# Altium PCB Encoder_AAS3301.PcbDoc
Units mm, origin at the board's own origin, x right, y up, seen from the top; angles counter-clockwise.
Board outline 19 x 19 mm, 2 copper layers (Top Layer, Bottom Layer), stack 0.8 mm thick; 5 components, 11 nets, 36 pads, 14 vias.
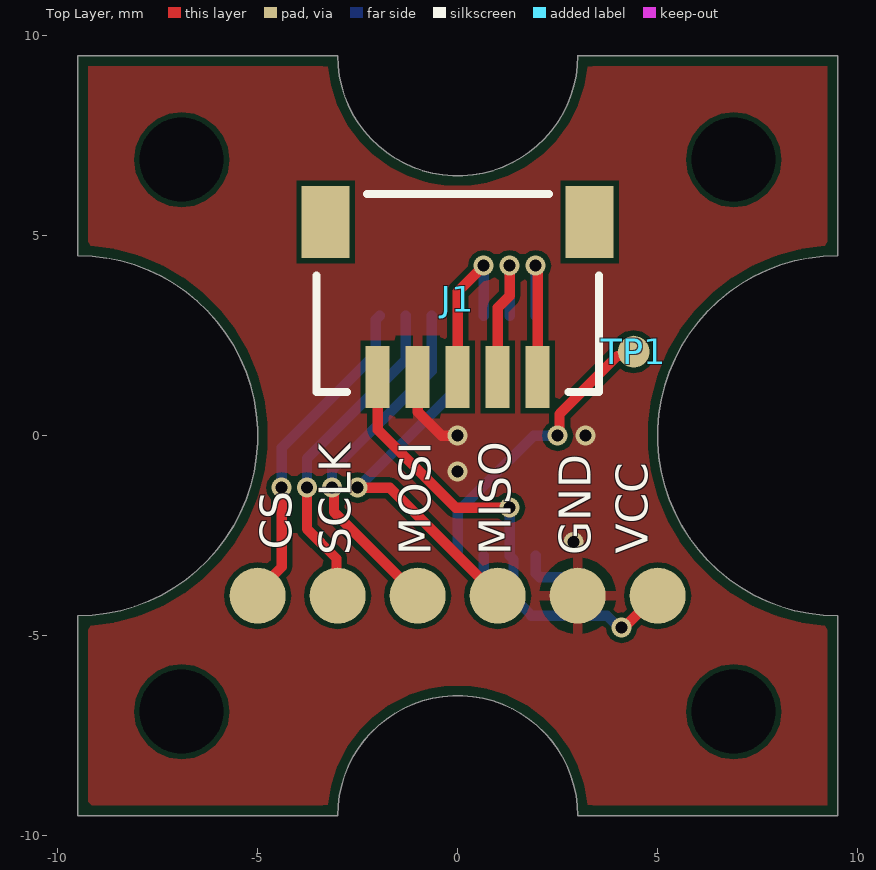
[diagram p0: Top Layer view]
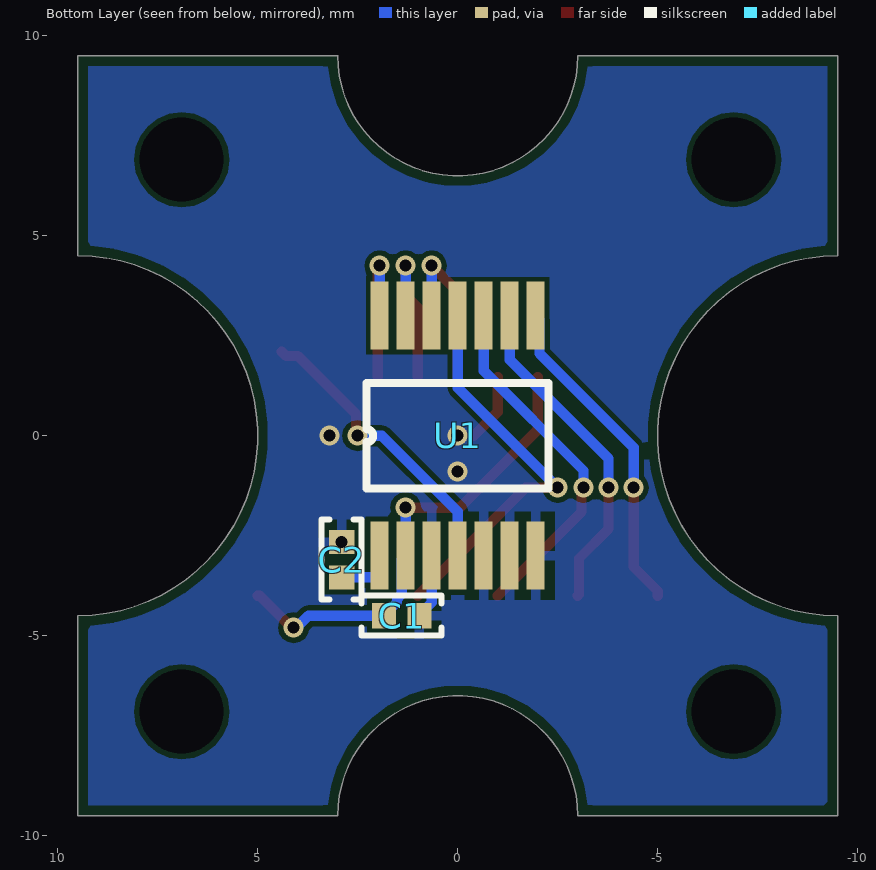
[diagram p1: Bottom Layer view, seen from below]
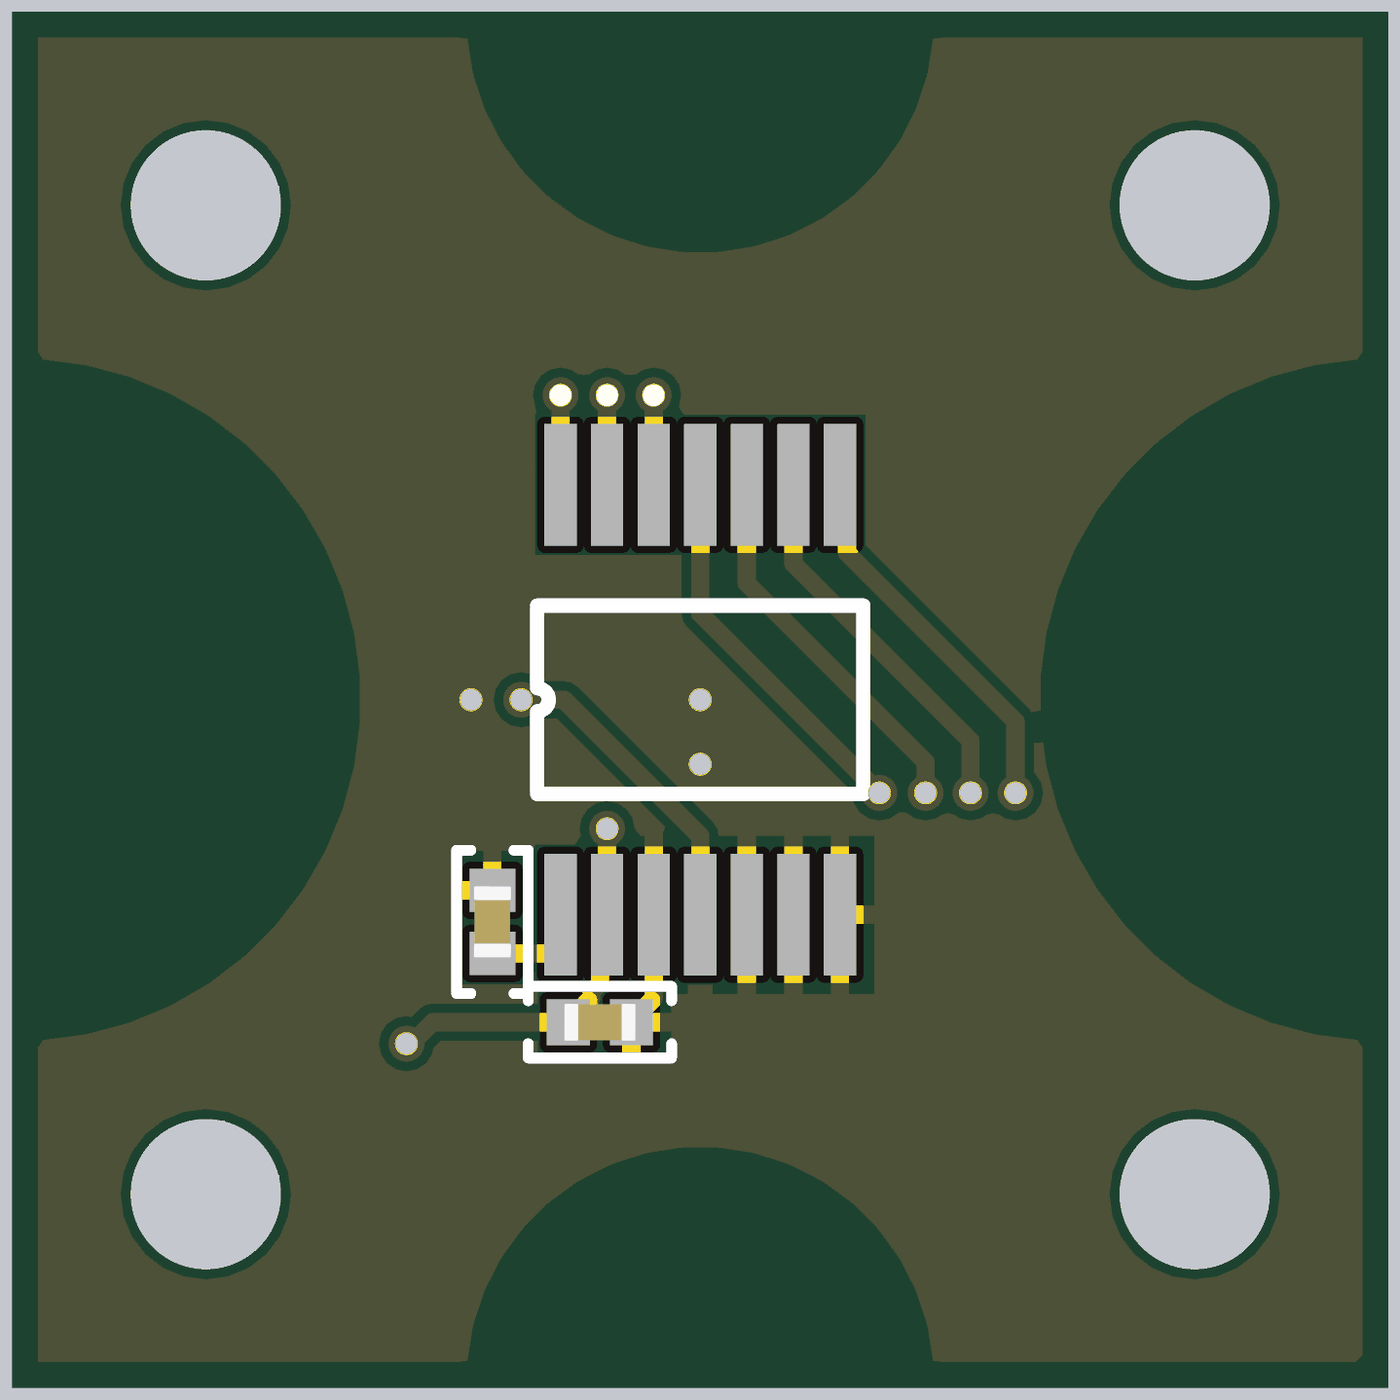
[diagram p2: 3D render of the assembled board from below, using the file's embedded part models]

## Layer stack, top to bottom
Top Solder: solder mask 0.01, Solder Resist, Dk 3.5
Top Layer: signal copper 0.035
Dielectric 1: dielectric 0.73, FR-4, Dk 4.8
Bottom Layer: signal copper 0.035
Bottom Solder: solder mask 0.01, Solder Resist, Dk 3.5

## Board outline
-9.5,-9.5 -9.5,-4.501 ccw(c-9.5,0) -9.5,4.501 -9.5,9.5 -3.002,9.5 ccw(c0,9.5) 3.002,9.5 9.5,9.5 9.5,4.501 ccw(c9.5,0) 9.5,-4.501 9.5,-9.5 3.002,-9.5 ccw(c0,-9.5) -3.002,-9.5

## Design rules (kind name [scope] priority, off if disabled: settings)
BoardOutlineClearance [All] p1: gap=0.254 ignorepadtopadclearanceinfootprint=FALSE except(0: Arc-SplitContinuation Track-SplitContinuation SMDPad-SplitContinuation THPad-SplitContinuation Via-SplitContinuation Fill-SplitContinuation Poly-SplitContinuation Region-SplitContinuation Text-SplitContinuation)
Clearance [All] p1: gap=0.128 ignorepadtopadclearanceinfootprint=FALSE
PlaneConnect [All] p1: pad.planeconnectstyle=Relief pad.reliefexpansion=0.508 pad.reliefentries=4 pad.reliefconductorwidth=0.254 pad.reliefairgap=0.254 via.planeconnectstyle=Direct via.reliefexpansion=0.508 via.reliefentries=4 via.reliefconductorwidth=0.254 via.reliefairgap=0.254
PolygonConnect [All] p1: thpad.connectstyle=Relief thpad.reliefconductorwidth=0.254 thpad.reliefentries=4 thpad.polygonreliefangle="90 Angle" thpad.airgapwidth=0.254 smdpad.connectstyle=Relief smdpad.reliefconductorwidth=0.254 smdpad.reliefentries=4 smdpad.polygonreliefangle="90 Angle" smdpad.airgapwidth=0.254 via.connectstyle=Direct via.reliefconductorwidth=0.254 via.reliefentries=4 via.polygonreliefangle="90 Angle" via.airgapwidth=0.254
RoutingVias [All] p1: holewidth=0.3 width=0.5 viastyle="Through Hole" minholewidth=0.3 minwidth=0.5 maxholewidth=0.7 maxwidth=1.27
SolderMaskExpansion [All] p1: expansion=0.102 istentingtop=FALSE
Width [All] p1: maxlimit=0.254 minlimit=0.254 preferedwidth=0.254
29 further rules are at their usual default settings.

## Components (designator, comment, footprint, x,y, rotation, side; value= is the part's Value field where it differs from the comment)
C1 "0.1 µF" "CAP 0402_1005" 1.4,-4.5 r180 bottom
C2 "0.1 µF" "CAP 0402_1005" 2.9,-3.1 r90 bottom
J1 "SM05B-SRSS-TB(LF)(SN)" "JST SM05B-SRSS-TB" 0,3.5 r0 top
TP1 "0.8mm" "TP  0.8mm" 4.4,2.1 r0 top
U1 "A1339/AAS33001" TSSOP14 0,0 r90 bottom

## Footprints (in the part's own frame and the unit in brackets; to place one, negate y for a bottom-side part, rotate by r counter-clockwise, add the part's x,y. Pads: shape width x height; smd on the part's side, far side on the other; paste and mask are expansions set on the pad)
"CAP 0402_1005" [mm] "Chip Capacitor, 2-Leads, Body 1.02x0.51mm, IPC Medium Density"
  rect 0.6x0.64 smd: 1(-0.44,0) 2(0.44,0)
  silkscreen extent -1,-0.5 1,0.5, body extent -0.5,-0.26 0.5,0.26, height 0.52
"JST SM05B-SRSS-TB" [mm] "1.0mm pitch/Disconnectable Crimp style connector"
  rect 0.6x1.55 smd: 1(-2,-2.032) 2(-1,-2.032) 3(0,-2.032) 4(1,-2.032) 5(2,-2.032)
  rect 1.2x1.8 smd: M(-3.3,1.843) M(3.3,1.843)
  silkscreen extent -3.53,-2.41 3.53,2.54, body extent -3.5,-2.38 3.5,2.57, height 2.95
"TP  0.8mm" [mm]
  round 0.8 smd: 1(0,0)
TSSOP14 [mm]
  rect 1.7x0.45 smd: 1(-3,1.95) 2(-3,1.3) 3(-3,0.65) 4(-3,0) 5(-3,-0.65) 6(-3,-1.3) 7(-3,-1.95) 8(3,-1.95) 9(3,-1.3) 10(3,-0.65) 11(3,0) 12(3,0.65) 13(3,1.3) 14(3,1.95)
  silkscreen extent -1.32,-2.28 1.32,2.27, body extent -3.2,-2.55 3.2,2.55, height 1.2

## Part data
C1 C2: library part C0402C104K3RAC7867, "CAP CER 0.1UF 25V X7R 0402", Device Package="0402 (1005 Metric)", Manufacturer=KEMET, Operating Temperature="-55°C ~ 125°C", Supplier Part Number 1=399-14148-1-ND, Temperature Coefficient=X7R, Tolerance=±10%, Voltage - Rated=25V, Applications="Bypass, Decoupling", Capacitance="0.1 µF", ComponentLink1Description=Datasheet, ComponentLink1URL=https://api.kemet.com/component-edge/download/datasheet/C0402C104K3RAC7867.pdf, ComponentLink2Description="DigiKey Link", ComponentLink2URL=https://www.digikey.com/en/products/detail/kemet/C0402C104K3RAC7867/6697176, LastUpdated="2/9/2024 8:04:32 PM", Lifecycle Status=Active, Minimum Order=1, Mounting Type="Surface Mount, MLCC", Package / Case="0402 (1005 Metric)", Packaging=TapeAndReel, Part Number=C0402C104K3RAC7867, Part Status=Active, PartId=39011, Price=0.02, Series="SMD Comm X7R", Size / Dimension="0.039\" L x 0.020\" W (1.00mm x 0.50mm)", Supplier 1=DigiKey, Thickness (Max)="0.022\" (0.55mm)"
J1: "CONN HEADER SMD R/A 5POS 1MM", Current Rating (Amps)=0.7A, Insulation Color=Natural, Manufacturer="JST Sales America Inc.", Material Flammability Rating="UL94 V-0", Operating Temperature="-25°C ~ 85°C", Supplier Part Number 1=455-1805-1-ND, Voltage Rating=50V, ComponentLink1Description=Datasheet, ComponentLink1URL=http://www.jst-mfg.com/product/pdf/eng/eSH.pdf, ComponentLink2Description="DigiKey Link", ComponentLink2URL=http://digikey.com/product-detail/en/jst-sales-america-inc/SM05B-SRSS-TB-LF-SN/455-1805-1-ND/926876, Connector Type=Header, Contact Finish - Mating=Tin, Contact Finish - Post=Tin, Contact Material="Copper Alloy", Contact Shape=Square, Contact Type="Male Pin", Fastening Type=Push-Pull, Features="Solder Retention", Insulation Height="0.114\" (2.90mm)", Insulation Material="Polyamide (PA), Nylon", LastUpdated="1/12/2020 11:42:04 PM", Lifecycle Status=Active, Minimum Order=1, Mounting Type="Surface Mount, Right Angle", Number of Positions=5, Number of Positions Loaded=All, Number of Rows=1, Packaging=TapeAndReel, Part Number=SM05B-SRSS-TB(LF)(SN), Part Status=Active, PartId=63, Pitch - Mating="0.039\" (1.00mm)", Price=0.32, Series=SR, Shrouding="Shrouded - 4 Wall", Style="Board to Cable/Wire", Supplier 1=DigiKey, Termination=Solder
TP1: library part "TP 0.8mm", "Test point"

## Free pads (board coordinates)
  round 0 hole 2.1 unplated: 1(-6.9,-6.9) 1(-6.9,6.9) 1(6.9,-6.9) 1(6.9,6.9)
  round 1.4 smd: 4(-5,-4) 4(-3,-4) 4(-1,-4) 4(1,-4) 4(3,-4) 4(5,-4)

## Via types
v1: diameter 0.5, hole 0.3, Top Layer to Bottom Layer, tented both sides, 14 vias

## Nets (pads, with @x,y where several pads share a name; then routed paths per layer and width w, separated by ;. In a path a pad name is that pad's centre, name@x,y a point inside that pad or via, vN(x,y) a via of type N, cw(c..) or ccw(c..) an arc to the next point about the centre after c; other vN are vias at no path point)
A: J1.3 U1.12 | length 4.3
  Top Layer w0.254: J1.3 0,1.668 0,1.968 0,3.6 v1(0.65,4.25)
  Bottom Layer w0.254: U1.12 v1(0.65,4.25)
B: J1.4 U1.13 | length 4.1
  Top Layer w0.254: J1.4 1,1.668 1,1.968 1,3.2 1.3,3.5 v1@1.3,4.2
  Bottom Layer w0.254: U1.13 v1(1.3,4.25)
BYP: C2.1 U1.1 | length 1.4
  Bottom Layer w0.254: U1.1 1.95,-3.442 2.048,-3.54 C2.1
C\S\: pad.4@-5,-4 U1.8 | length 8.3
  Top Layer w0.254: pad.4@-5,-4 -5,-3.882 -4.4,-3.282 v1(-4.4,-1.3)
  Bottom Layer w0.254: v1(-4.4,-1.3) -4.4,-0.3 -2.048,2.052 -2.048,2.902 U1.8
GND: C1.2 C2.2 J1.2 pad.4@3,-4 U1.3 U1.5 U1.6 U1.7 | length 3.7
  Top Layer w0.254: J1.2 -1,0.6 -0.4,0 v1(0,0)
  Bottom Layer w0.254: U1.3 0.65,-4.17 0.96,-4.48 C1.2
  other v1: 2.9,-2.66 0,-0.9 3.2,0
I: J1.5 U1.14 | length 4.1
  Top Layer w0.254: v1(1.95,4.25) 1.95,4.183 2,4.133 J1.5
  Bottom Layer w0.254: U1.14 v1(1.95,4.25)
MISO: pad.4@1,-4 U1.11 | length 10
  Top Layer w0.254: v1(-2.5,-1.3) -1.7,-1.3 pad.4@1,-4
  Bottom Layer w0.254: v1(-2.5,-1.3) 0,1.2 U1.11
MOSI: pad.4@-1,-4 U1.10 | length 8.9
  Top Layer w0.254: v1(-3.144,-1.3) -3.097,-1.347 -3.097,-1.903 pad.4@-1,-4
  Bottom Layer w0.254: v1(-3.144,-1.3) -3.144,-0.869 -0.65,1.625 U1.10
PWM: TP1.1 U1.4 | length 7.4
  Top Layer w0.254: v1(2.5,0) 2.547,0.047 2.547,0.547 3.996,1.996 4.296,1.996 TP1.1
  Bottom Layer w0.254: U1.4 0,-1.9 1.9,0 v1(2.5,0)
SCLK: pad.4@-3,-4 U1.9 | length 8.3
  Top Layer w0.254: v1(-3.772,-1.3) -3.772,-2.328 -3.032,-3.068 -3.032,-3.968 pad.4@-3,-4
  Bottom Layer w0.254: v1(-3.772,-1.3) -3.772,-0.572 -1.3,1.9 U1.9
VCC: C1.1 J1.1 pad.4@5,-4 U1.2 | length 12
  Top Layer w0.254: J1.1 -2,0.149 -0.051,-1.8 v1(1.3,-1.8) ; v1(4.1,-4.8) 4.15,-4.8 4.95,-4 pad.4@5,-4
  Bottom Layer w0.254: v1(1.3,-1.8) U1.2 1.398,-3.098 1.398,-3.957 1.515,-4.074 1.515,-4.155 1.84,-4.48 C1.1 3.733,-4.5 4.033,-4.8 v1(4.1,-4.8)
pads on no net: J1.M

## Polygon pours and split planes (outlines as drawn)
GND on Top Layer "NONET_L02_P-001" (solid, pour order 1): -9.5,9.5 -9.5,-9.5 9.5,-9.5 9.5,9.5
GND on Bottom Layer "NONET_L02_P-001" (solid, pour order 0): -9.5,9.5 -9.5,-9.5 9.5,-9.5 9.5,9.5

## Silkscreen, mask and mechanical layers (free items; w line width, h text height)
Top Overlay:
  text "CS" at -4.153,-2.847 h0.8 r90
  text "VCC" at 4.747,-2.947 h0.8 r90
  text "SCLK" at -2.675,-2.991 h0.8 r90
  text "MOSI" at -0.675,-2.991 h0.8 r90
  text "MISO" at 1.325,-2.991 h0.8 r90
  text "GND" at 3.325,-2.991 h0.8 r90
Top Solder:
  circle w0.8: c-6.9,-6.9 r1.45
  circle w0.8: c-6.9,6.9 r1.45
  circle w0.8: c6.9,6.9 r1.45
  circle w0.8: c6.9,-6.9 r1.45
Board Outline:
  lines w0.2: -3.002,-9.5 cw(c0,-9.5) 3.002,-9.5 9.5,-9.5 9.5,-4.501 cw(c9.5,0) 9.5,4.501 9.5,9.5 3.002,9.5 cw(c0,9.5) -3.002,9.5 -9.5,9.5 -9.5,4.501 cw(c-9.5,0) -9.5,-4.501 -9.5,-9.5 -3.002,-9.5 ; -3.002,-9.5 -3.002,-9.5

## Dimensions
-9.5,-9.5 to -9.5,9.5 on Dimensions
-9.5,-9.5 to 9.5,-9.5 on Dimensions